# KiCad board nonagon-pad-diodeless.kicad_pcb
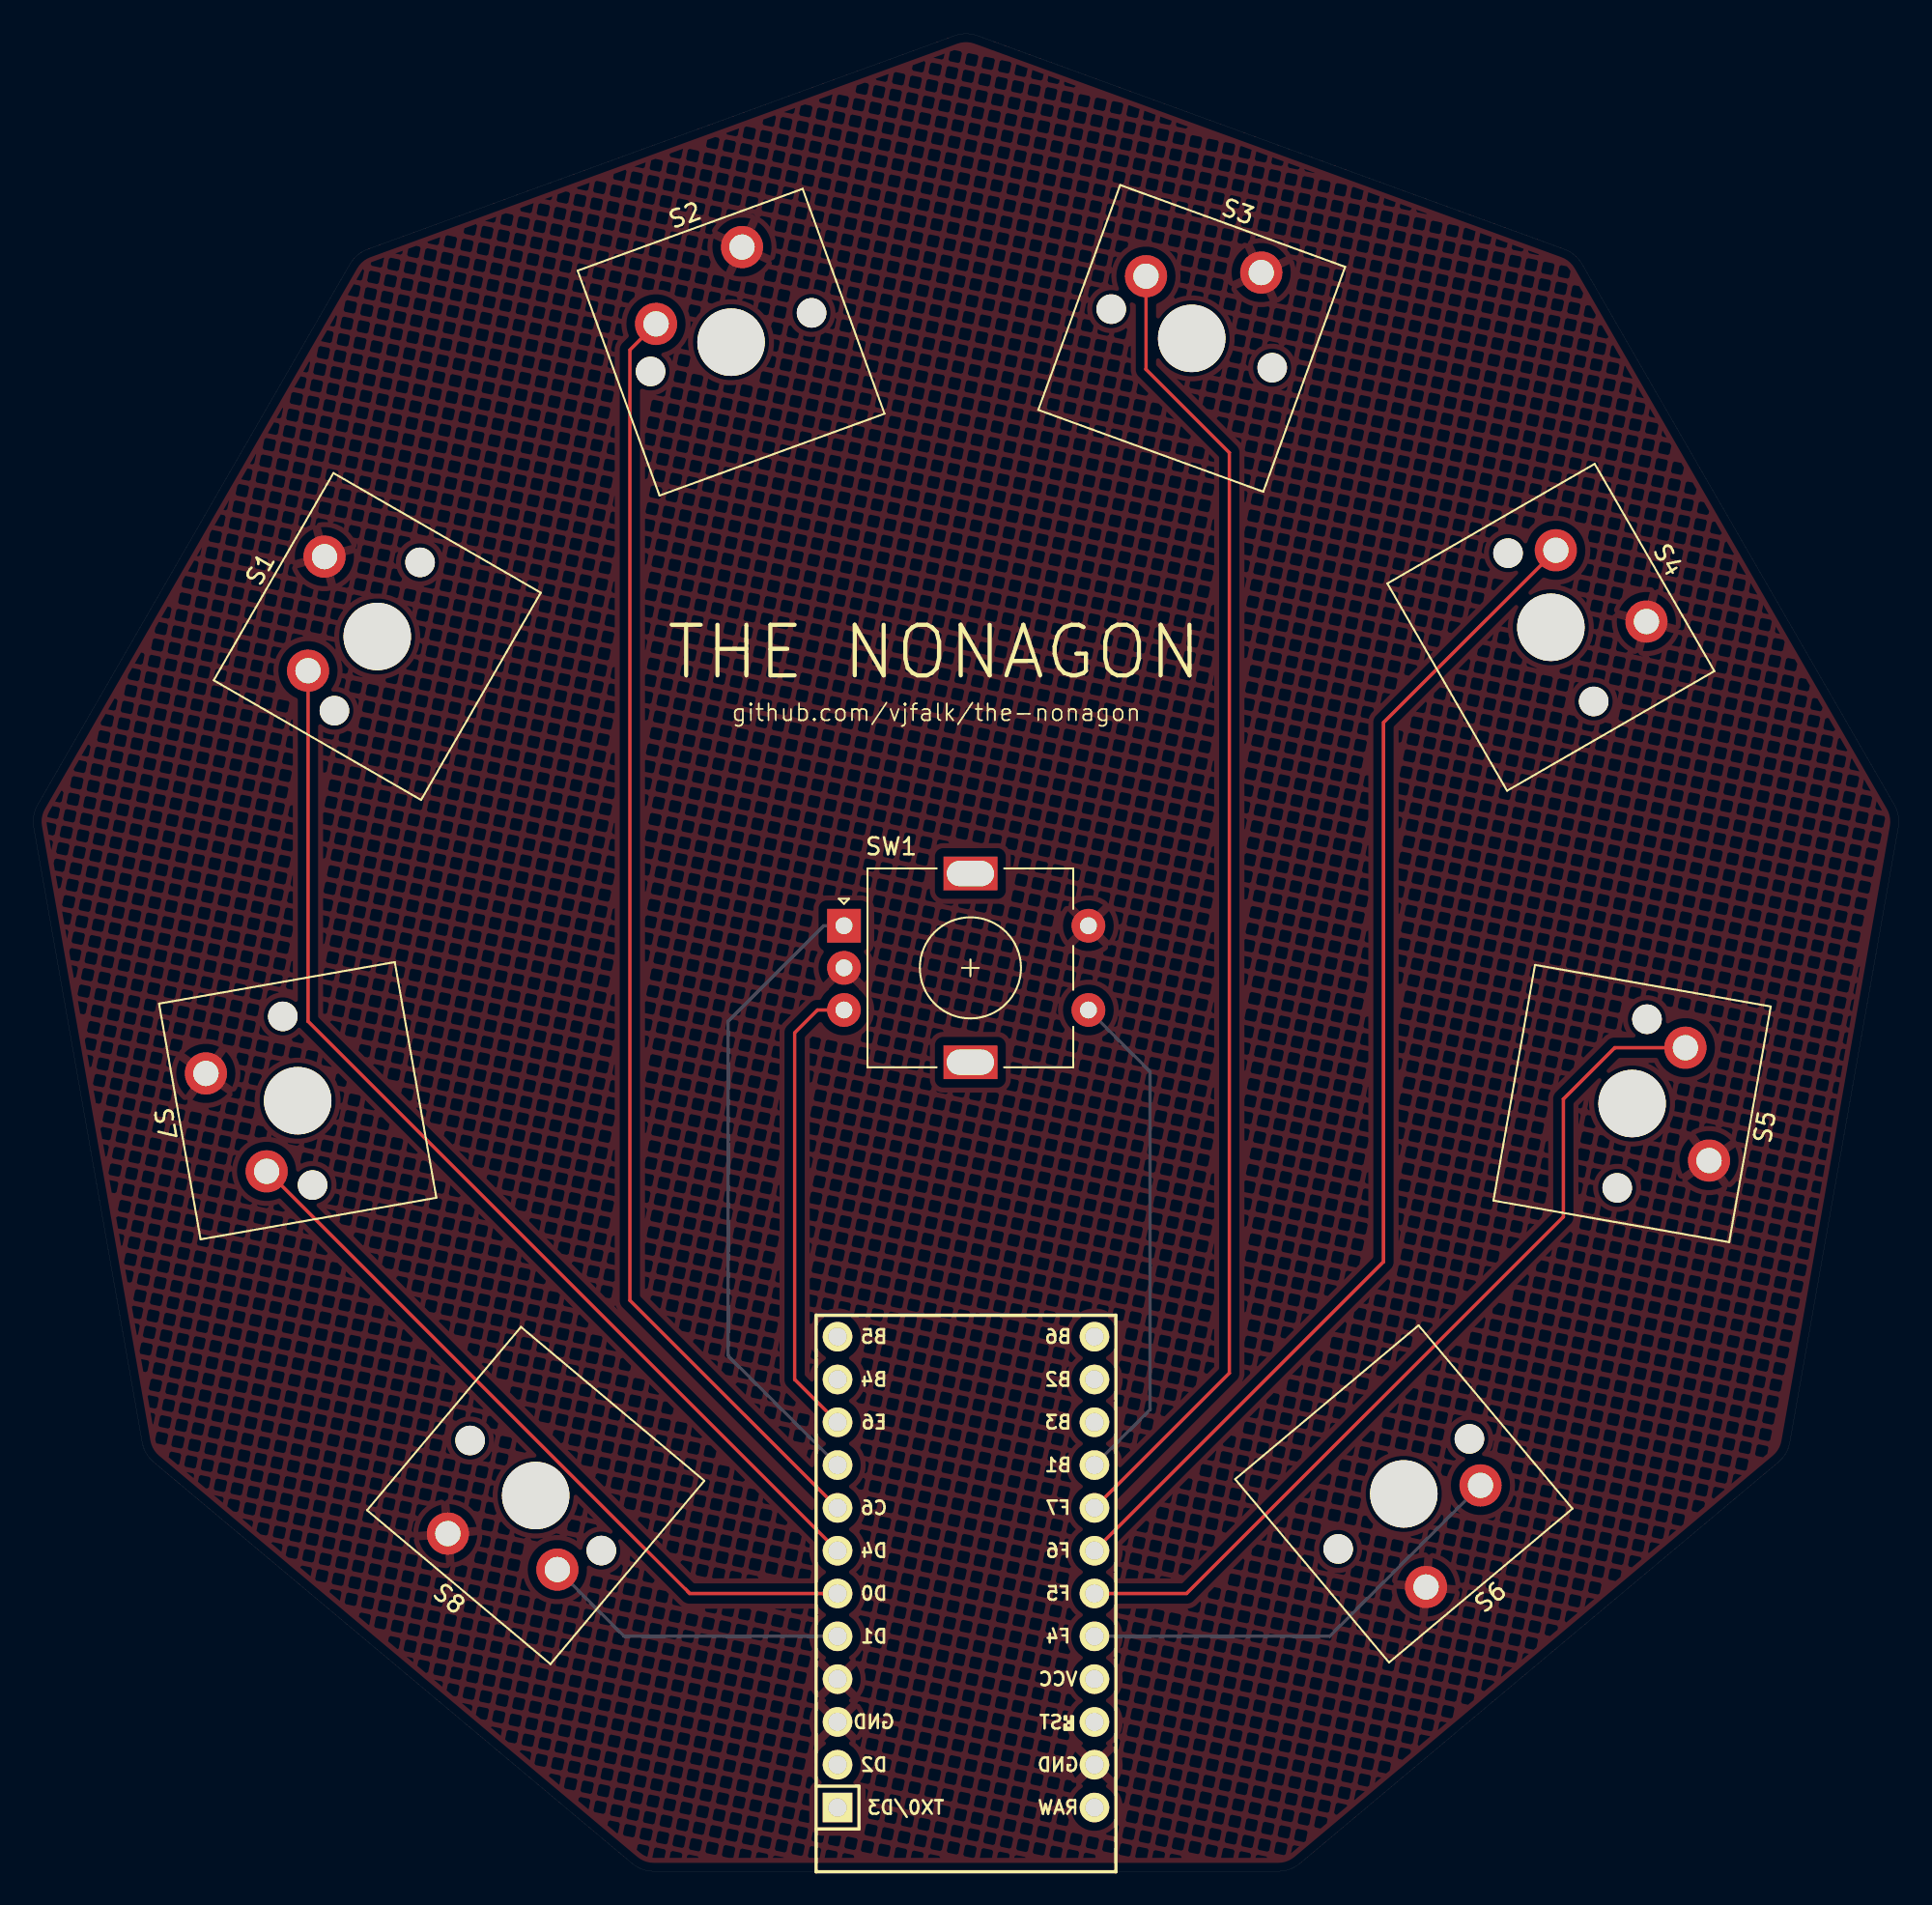
[diagram p0: board, top side]
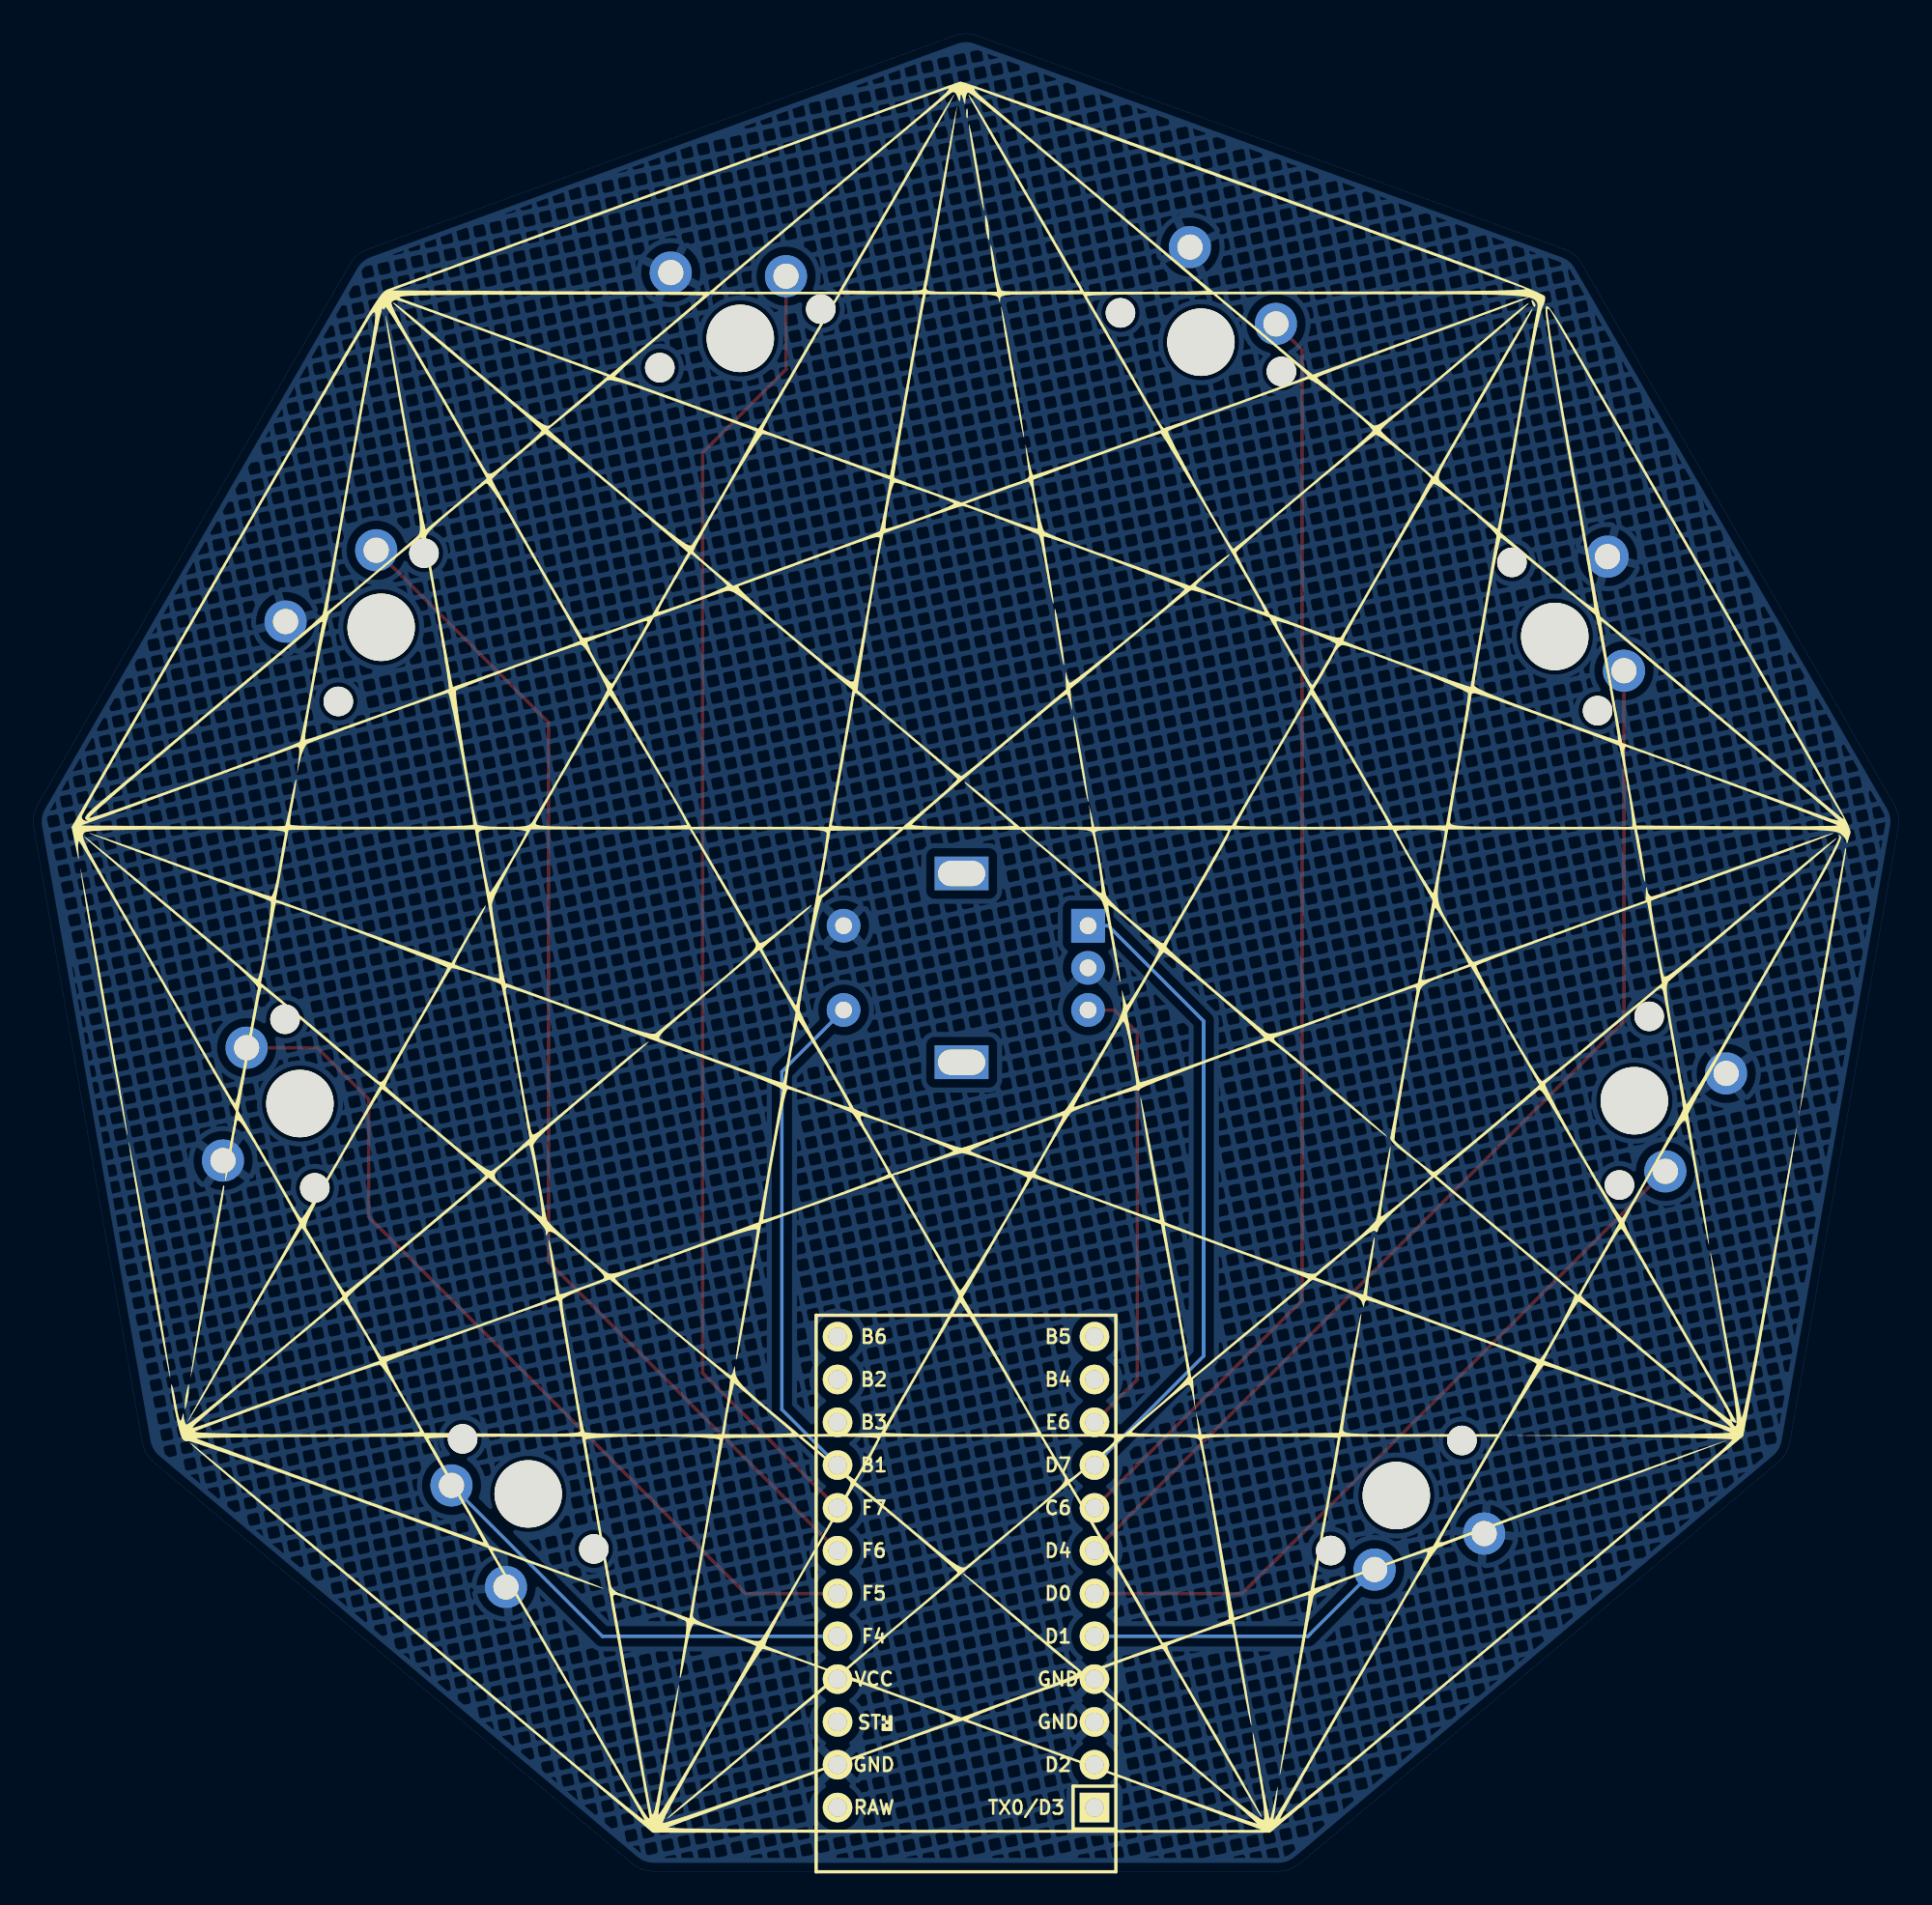
[diagram p1: board, bottom side, seen from below]

Outline 110.6 x 109.04 mm; copper layers: Top, Bottom. Coordinates in mm from the lower left corner of the outline.
Outline path: 0,61.94 arc(0,62.64) 0.24,63.29 18.76,95.37 arc(19.21,95.9) 19.81,96.25 54.61,108.92 arc(55.3,109.04) 55.98,108.92 90.79,96.25 arc(91.39,95.9) 91.84,95.37 110.36,63.29 arc(110.6,62.64) 110.6,61.94 104.16,25.46 arc(103.93,24.81) 103.48,24.28 75.1,0.47 arc(74.5,0.12) 73.82,0 36.78,0 arc(36.09,0.12) 35.49,0.47 7.12,24.28 arc(6.67,24.81) 6.43,25.46 0,61.94

## Placement (name value [footprint] x y rotation side)
S1  Keyswitch  [MX_PCB_1.00u]  20.38 73.27 60 top
S2  Keyswitch  [MX_PCB_1.00u]  41.36 90.73 20 top
S3  Keyswitch  [MX_PCB_1.00u]  68.69 90.96 340 top
S4  Keyswitch  [MX_PCB_1.00u]  89.99 73.81 300 top
S5  Keyswitch  [MX_PCB_1.00u]  94.81 45.56 260 top
S6  Keyswitch  [MX_PCB_1.00u]  81.27 22.39 220 top
S7  Keyswitch  [MX_PCB_1.00u]  15.66 45.72 100 top
S8  Keyswitch  [MX_PCB_1.00u]  29.77 22.3 140 top
SW1  RotaryEncoder_Switch  [RotaryEncoder_Alps_EC11E-Switch_Vertical_H20mm]  48.06 56.11 0 top
U1  -  [Arduino_Pro_Micro]  55.3 17.75 0 bottom

## Library data of the parts
S1-S8 = -: Description: Push button switch, normally open, two pins, 45° tilted
SW1 = -: Description: Rotary encoder, dual channel, incremental quadrate outputs, with switch; ki_fp_filters: RotaryEncoder*Switch*
U1 = -: Field4: D7; Field5: GND

## Footprints (pads in the part's own frame, mm; a bottom-side part is the same pattern mirrored in y, then rotated)
Arduino_Pro_Micro
  rect 1.753x1.753 hole 1.092: 1(-7.62,13.97)
  round 1.753 hole 1.092: 2(-7.62,11.43) 3(-7.62,8.89) 4(-7.62,6.35) 5(-7.62,3.81) 6(-7.62,1.27) 7(-7.62,-1.27) 8(-7.62,-3.81) 9(-7.62,-6.35) 10(-7.62,-8.89) 11(-7.62,-11.43) 12(-7.62,-13.97) 13(7.62,-13.97) 14(7.62,-11.43) 15(7.62,-8.89) 16(7.62,-6.35) 17(7.62,-3.81) 18(7.62,-1.27) 19(7.62,1.27) 20(7.62,3.81) 21(7.62,6.35) 22(7.62,8.89) 23(7.62,11.43) 24(7.62,13.97)
MX_PCB_1.00u
  round 1.75 hole 1.75 unplated: (-5.08,0) (5.08,0)
  round 4 hole 4 unplated: (0,0)
  round 2.5 hole 1.5: 1(-3.81,2.54) 2(2.54,5.08)
RotaryEncoder_Alps_EC11E-Switch_Vertical_H20mm
  rect 2x2 hole 1: A(0,0)
  round 2 hole 1: B(0,-5) C(0,-2.5) S1(14.5,-5) S2(14.5,0)
  rect 3.2x2 hole 2.8x1.5: MP(7.5,3.1) MP(7.5,-8.1)

## Nets
GND: S1.2 S2.2 S3.2 S4.2 S5.2 S6.2 S7.2 S8.2 SW1.C SW1.S2 U1.3 U1.4 U1.23
padA: SW1.A U1.9
padB: SW1.B U1.10
SW1: S1.1 U1.7
SW2: S2.1 U1.8
SW3: S3.1 U1.17
SW4: S4.1 U1.18
SW5: S5.1 U1.19
SW6: S6.1 U1.20
SW7: S7.1 U1.6
SW8: S8.1 U1.5
SW9: SW1.S1 U1.16

Pads without a net: SW1 MP; U1 1 2 11 12 13 14 15 21 22 24

## Routing (per net, layer and track width the routed paths; a pad name or vN(x,y) marks a point on that pad's centre or on a via; arc(x,y) is an arc through that point)
padA: length 38.2
  Bottom w0.2: U1.9 41.2,30.58 41.2,50.45 46.86,56.11 SW1.A
padB: length 27.6
  Top w0.2: SW1.B 46.49,51.11 45.14,49.76 45.14,29.18 U1.10
SW1: length 65.2
  Top w0.2: U1.7 16.27,50.43 S1.1
SW2: length 76
  Top w0.2: U1.8 35.36,33.88 35.36,90.27 S2.1
SW3: length 78.4
  Top w0.2: U1.17 70.92,29.56 70.92,84.17 65.97,89.12 S3.1
SW4: length 70.7
  Top w0.2: U1.18 80.06,36.17 80.06,68.16 S4.1
SW5: length 52.6
  Top w0.2: S5.1 93.78,48.87 90.73,45.82 90.73,38.83 68.38,16.48 U1.19
SW6: length 26.6
  Bottom w0.2: S6.1 76.86,13.94 U1.20
SW7: length 44.2
  Top w0.2: S7.1 13.86,41.53 38.91,16.48 47.68,16.48
SW8: length 18.3
  Bottom w0.2: S8.1 35.02,13.94 U1.5
SW9: length 29.9
  Bottom w0.2: SW1.S1 66.22,47.45 66.22,27.4 U1.16

## Copper pours and planes (outline as drawn; the poured copper is in the pictures)
GND on Top, Bottom: 1.32,107.29 120.7,118.08 117.52,-4.47 -19,-15.27 -17.1,104.11

## Text on the board
F.Silkscreen: github.com/vjfalk/the-nonagon | THE NONAGON
